# Altium PCB TEBF0808.PcbDoc (part 11 of 11)
Units mm, origin at the board's own origin, x right, y up, seen from the top; angles counter-clockwise.
Board outline 170 x 170 mm, 16 copper layers (L 01, L 02 G, L 03 S, L 04 G, L 05 S, L 06 G, L 07 P, L 08 P, L 09 P, L 10 P, L 11 G, L 12 S, L 13 G, L 14 S, L 15 G, L 16), stack 1.774 mm thick; 609 components, 869 nets, 3941 pads, 2358 vias.
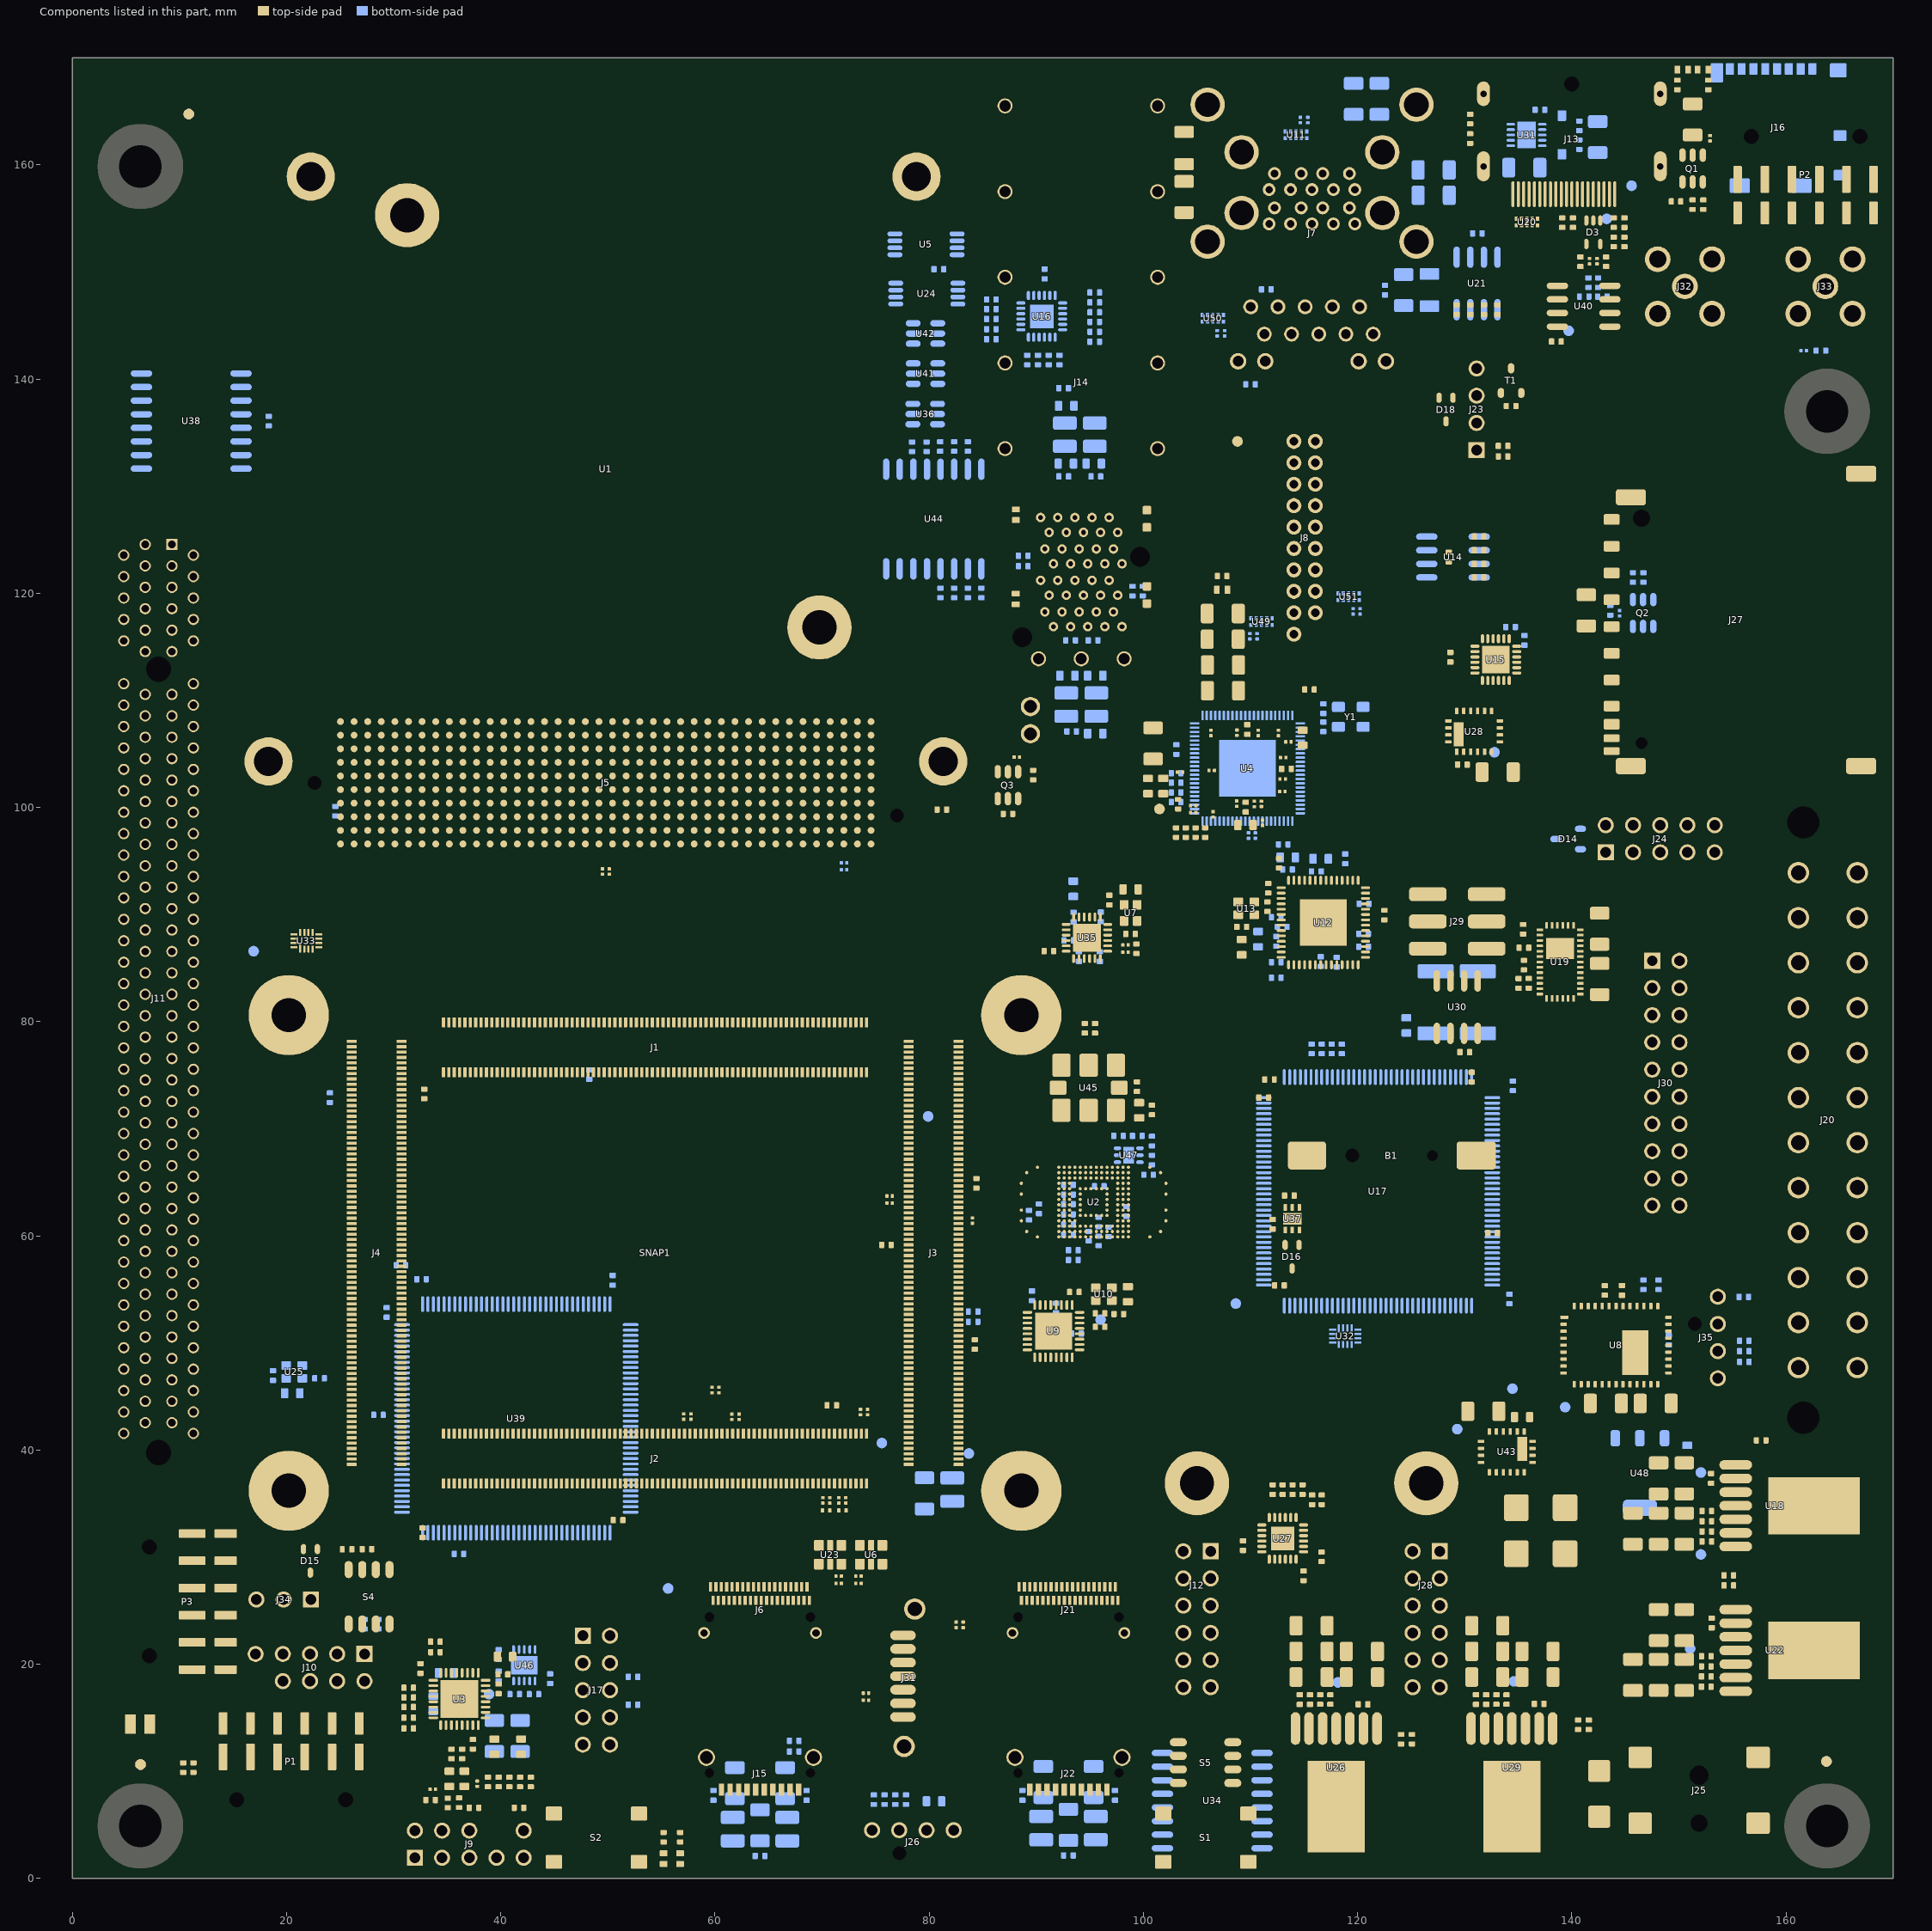
[diagram p25: the components of this part, seen from the top]

## Other copper (continued)
L 16:
  pour cut-out: 57.775,25.045 59.33,23.491 59.33,22.685 69.025,22.685 69.025,42.925 67.825,44.125 63.225,44.125 60.288,41.188 60.288,38.338 57.775,35.825
  pour cut-out: 24.4,99.75 27.539,99.75 28.425,100.636 28.425,115.225 66.668,115.225 84.555,97.338 84.555,72.436 80.5,68.381 80.5,66.075 80.225,65.8 79.125,65.8 74.284,70.641 74.284,74.566 73.4,75.45 70.9,75.45 61.225,75.45 60.4,76.275 60.4,78.65 59.347,79.703 30.933,79.663 24.4,86.195
  pour cut-out: 33.3,54.05 30.78,51.53 30.78,34.32 33.07,32.03 50.2,32.03 52.12,33.95 52.12,51.45 49.47,54.1 46,54.1
  pour cut-out: 113.15,74.82 111.205,72.875 111.525,55.45 112.925,54.05 131.325,54.05 132.57,55.295 132.57,72.875 130.625,74.82
  region net GND: 140.35,85.725 140.35,87.975 137.45,87.975 137.45,85.725
  region net GND: 135.95,41.4 134.75,41.4 134.75,38.85 135.95,38.85
  region net GND: 147.326,46.841 147.326,51.341 144.526,51.341 144.526,46.841
  region net GND: 130.015,108.11 128.815,108.11 128.815,105.56 130.015,105.56
  pour cut-out: 105.51,108.585 104.775,107.85 104.775,99.45 105.51,98.715 113.91,98.715 114.645,99.45 114.645,107.85 113.91,108.585
  pour cut-out: 115.7,110.7 115.36,110.36 115.36,107.14 116.5,106 121,106 122.1,107.1 122.1,110 121.4,110.7
  pour cut-out: 110.271,136.286 110.82,135.742 111.575,134.987 111.575,134.3 112.4,134.3 112.8,134.7 112.7,134.8 112.7,137.1
  pour cut-out: 118.975,163.8 119.235,163.54 119.235,160.385 118.575,159.725 115.525,159.725 112.35,159.283 112.35,163.8
  pour cut-out: 110.675,93.7 111.393,94.418 112.582,94.418 112.65,94.35 112.765,94.465 112.765,95.547 110.45,97.862
  pour cut-out: 118.325,115.025 118.825,114.525 121.4,114.525 121.9,115.025 121.9,110.275 121.925,110.25 117.025,110.25 116.675,110.6 116.81,110.735 116.81,111.594
  pour cut-out: 57.98,38.25 57.98,37.599 58.83,37.599 58.83,38.25
  pour cut-out: 59.625,46.425 59.625,45.774 60.475,45.774 60.475,46.425
  pour cut-out: 119.5,117.2 119.5,116.549 120.33,116.549 120.33,117.2
  pour cut-out: 116.075,113.51 116.726,113.51 116.726,114.34 116.075,114.34
  pour cut-out: 134.69,153.15 134.69,153.798 135.41,153.798 135.41,153.15
MultiLayer:
  pour cut-out: 57.98,38.709 58.83,38.709 58.83,37.791 57.98,37.791
  pour cut-out: 59.625,46.884 60.475,46.884 60.475,45.966 59.625,45.966
  pour cut-out: 57.055,44.311 57.775,44.311 57.775,43.393 57.055,43.393
  pour cut-out: 68.793,48.033 69.302,47.524 69.951,48.173 69.442,48.682
  pour cut-out: 115.616,114.34 115.616,113.51 116.534,113.51 116.534,114.34
  pour cut-out: 120.33,117.659 119.5,117.659 119.5,116.741 120.33,116.741
  pour cut-out: 121.062,146.256 119.779,143.691 118.91,143.197 111.29,143.189 110.421,143.691 109.171,146.447 110.098,147.625 120.18,147.736
  pour cut-out: 69.045,76.881 69.765,76.881 69.765,75.979 69.045,75.979
  pour cut-out: 70.545,78.651 71.265,78.651 71.265,77.749 70.545,77.749
  pour cut-out: 67.545,78.651 68.265,78.651 68.265,77.749 67.545,77.749
  pour cut-out: 64.545,78.976 65.265,78.976 65.265,78.074 64.545,78.074
  pour cut-out: 66.045,76.881 66.765,76.881 66.765,75.979 66.045,75.979
  pour cut-out: 64.651,68.55 64.651,67.83 63.749,67.83 63.749,68.55
  pour cut-out: 63.151,70.25 63.151,69.53 62.249,69.53 62.249,70.25
  pour cut-out: 61.651,71.95 61.651,71.23 60.749,71.23 60.749,71.95
  pour cut-out: 60.151,73.65 60.151,72.93 59.249,72.93 59.249,73.65
  pour cut-out: 58.851,77.87 58.851,77.15 57.949,77.15 57.949,77.87
  pour cut-out: 63.265,78.085 62.545,78.085 62.545,78.987 63.265,78.987
  pour cut-out: 58.765,80.999 58.045,80.999 58.045,81.901 58.765,81.901
  pour cut-out: 60.265,82.999 59.545,82.999 59.545,83.901 60.265,83.901
  pour cut-out: 62.065,84.952 61.345,84.952 61.345,85.854 62.065,85.854
  pour cut-out: 57.265,84.999 56.545,84.999 56.545,85.901 57.265,85.901
  pour cut-out: 32.381,84.999 31.661,84.999 31.661,85.901 32.381,85.901
  pour cut-out: 27.301,92.449 26.581,92.449 26.581,93.351 27.301,93.351
  pour cut-out: 29.841,95.249 29.121,95.249 29.121,96.151 29.841,96.151
  pour cut-out: 34.921,91.249 34.201,91.249 34.201,92.151 34.921,92.151
  pour cut-out: 37.461,92.449 36.741,92.449 36.741,93.351 37.461,93.351
  pour cut-out: 40.001,92.449 39.281,92.449 39.281,93.351 40.001,93.351
  pour cut-out: 42.541,91.799 41.821,91.799 41.821,92.701 42.541,92.701
  pour cut-out: 45.081,94.649 44.361,94.649 44.361,95.551 45.081,95.551
  pour cut-out: 47.621,94.649 46.901,94.649 46.901,95.551 47.621,95.551
  pour cut-out: 50.185,92.549 49.465,92.549 49.465,93.451 50.185,93.451
  pour cut-out: 57.781,92.449 57.061,92.449 57.061,93.351 57.781,93.351
  pour cut-out: 62.861,92.449 62.141,92.449 62.141,93.351 62.861,93.351
  pour cut-out: 67.941,92.449 67.221,92.449 67.221,93.351 67.941,93.351
  pour cut-out: 73.021,91.849 72.301,91.849 72.301,92.751 73.021,92.751
  pour cut-out: 73.546,44.851 74.266,44.851 74.266,43.949 73.546,43.949
  pour cut-out: 56.451,34.4 56.451,33.68 55.549,33.68 55.549,34.4
  pour cut-out: 135.41,152.699 134.69,152.699 134.69,153.601 135.41,153.601
  pour cut-out: 85.26,128.049 84.54,128.049 84.54,128.951 85.26,128.951
  pour cut-out: 88.699,93.3 88.699,94.02 89.601,94.02 89.601,93.3
  pour cut-out: 91.975,102.701 92.695,102.701 92.695,101.799 91.975,101.799
  pour cut-out: 96.025,102.701 96.745,102.701 96.745,101.799 96.025,101.799
  region net GND: 37.9,18.5 37.9,15 34.4,15 34.4,18.5
  region net GND: 112.5,1.05 139.9,1.05 139.9,11.75 112.5,11.75
  region net GND: 168.25,15.79 168.25,40.3 157.55,40.3 157.55,15.79
  pour cut-out: 111.736,153.629 113.735,153.629 113.735,155.35 111.749,155.35
  pour cut-out: 111.736,156.829 113.735,156.829 113.735,158.55 111.749,158.55
  pour cut-out: 117.736,156.829 119.735,156.829 119.735,158.55 117.749,158.55
  pour cut-out: 117.736,153.629 119.735,153.629 119.735,155.35 117.749,155.35
  pour cut-out: 63.045,43.457 63.765,43.457 63.765,42.555 63.045,42.555
  pour cut-out: 66.045,43.457 66.765,43.457 66.765,42.555 66.045,42.555
  pour cut-out: 67.545,40.521 68.265,40.521 68.265,39.619 67.545,39.619
  pour cut-out: 64.545,40.521 65.265,40.521 65.265,39.619 64.545,39.619
  pour cut-out: 65.545,35.851 66.265,35.851 66.265,34.949 65.545,34.949
  pour cut-out: 67.045,33.201 67.765,33.201 67.765,32.299 67.045,32.299
  pour cut-out: 59.975,29.201 60.695,29.201 60.695,28.299 59.975,28.299
  pour cut-out: 61.475,30.251 62.195,30.251 62.195,29.349 61.475,29.349
  pour cut-out: 61.705,24.901 62.425,24.901 62.425,23.999 61.705,23.999
  pour cut-out: 60.48,23.851 61.2,23.851 61.2,22.949 60.48,22.949
  pour cut-out: 66.205,24.901 66.925,24.901 66.925,23.999 66.205,23.999
  pour cut-out: 67.43,23.851 68.15,23.851 68.15,22.949 67.43,22.949
  pour cut-out: 113.142,126.175 113.142,124.175 114.958,124.175 114.958,126.175
  pour cut-out: 115.142,122.175 115.142,120.175 116.958,120.175 116.958,122.175
  pour cut-out: 113.142,120.175 113.142,118.175 114.958,118.175 114.958,120.175
  pour cut-out: 115.142,128.175 115.142,126.175 116.958,126.175 116.958,128.175
  pour cut-out: 145.815,54.824 ccw(c145.415,54.824) 145.415,55.224 ccw(c145.415,54.824) 145.015,54.824 ccw(c145.415,54.824) 145.415,54.424 ccw(c145.415,54.824)

## Silkscreen, mask and mechanical layers (free items; w line width, h text height)
Top Overlay:
  text "TEBF0808-04" at 157.1,137.2 h2 r90
  text "USB3.0" at 120.6,131.6 h1.52 r90
  text "CAN" at 137.2,98.3 h1.52 r90
  text "JTAG" at 155.1,86.8 h1.52 r90
  text "Holzweg 19A" at 138.65,58.175 h2 r90
  text "32257 Bünde" at 140.65,58.175 h2 r90
  text "Germany" at 142.65,58.175 h2 r90
  text "Trenz Electronic GmbH" at 136.65,58.145 h2 r90
  text "W" at 115.3,48.9 h10 r90
  text "FAN2" at 152.375,43.4 h1.52
  text "C" at 104.35,42.1 h10 r90
  text "XMOD1" at 101.6,26.7 h1.52 r90
  text "XMOD2" at 123,26.6 h1.52 r90
  text "FP" at 30.2,18.9 h1.52 r90
  text "FAN1" at 72.4,3.3 h1.52 r90
  text "HDA" at 30,2.5 h1.52 r90
Top Solder:
  region: 18.381,142.006 18.381,131.069 ccw(c18.625,131.069) 18.625,130.825 20.05,130.825 ccw(c20.05,131.1) 20.325,131.1 20.325,142 ccw(c20.051,142) 20.051,142.274 18.649,142.274 ccw(c18.649,142.006)
Fab-Notes:
  circle w0.254: c31.26,155.3 r5.721
  circle w0.254: c69.76,116.8 r5.917
  lines w0.1: 35.85,176.575 65.45,176.575 ; 35.938,181.237 40.6,176.575 ; 35.963,179.463 38.85,176.575 ; 37.6,183.075 44.1,176.575 ; 39.35,183.075 45.85,176.575 ; 41.1,183.075 47.3,176.875 47.3,176.625 47.3,179.85 ; 42.35,176.575 35.85,183.075 65.45,183.075 ; 42.85,183.075 47.212,178.713 ; 44.125,183.025 47.3,179.85 ; 44.125,183.7 44.125,189 ; 45.975,188 44.325,188.7 ; 45.975,189.4 44.325,188.7 ; 52.35,176.625 52.35,179.85 ; 52.537,179.238 55.2,176.575 ; 53,179.8 66.8,179.8 ; 53.013,180.512 56.95,176.575 ; 53.6,188 55.25,188.7 ; 53.6,189.4 55.25,188.7 ; 53.987,181.287 58.7,176.575 ; 54.762,182.262 60.45,176.575 ; 55.525,183.025 52.35,179.85 ; 55.525,183.7 55.525,189 ; 55.7,183.075 62.2,176.575 ; 57.45,183.075 63.65,176.875 ; 59.2,183.075 63.562,178.713 ; 60.95,183.075 63.312,180.712 ; 62.7,183.075 63.237,182.537 ; 63.8,178.15 64.5,179.8 65.2,178.15 ; 63.8,184.725 64.5,183.075 65.2,184.725 ; 64.5,178.8 64.5,184.1 ; 44.325,188.7 55.25,188.7 ; 47.3,179.85 52.35,179.85
  lines w0.2: 31.2,161.025 45.175,175 ; 51.6,175 69.7,156.9 69.7,122.6
  text "5.6mm +/-0,1" at 41.1,191.4 h1.52
  text "Top" at 58.75,184.2 h1.52
  text "1.2mm +/-0,1" at 65.3,180.9 h1.52
  text "Bottom" at 59.025,174.475 h1.52
PCB-Outline:
  lines w0.01: 0,0 0,170 170,170 170,0 0,0
  lines w0.05: 73.385,158.675 73.385,157.25 ccw(c73.635,157.25) 73.635,157 75.4,157 75.4,154 73.636,154 ccw(c73.636,153.75) 73.386,153.75 73.386,120.3
TDEV-Notes-Top:
  lines w0.01: 15,0 15,170
  text "Area A" at 135.453,104.478 h2
  text "Area B" at 2.26,24.508 h2
Assembly-Top:
  circle w0.1: c6.345,159.845 r1.98
  circle w0.1: c6.345,4.905 r1.98
  circle w0.1: c163.825,4.905 r1.98
  circle w0.1: c163.83,136.98 r1.98
Assembly Bot:
  circle w0.1: c6.345,159.845 r1.98
  circle w0.1: c6.345,4.905 r1.98
  circle w0.1: c163.825,4.905 r1.98
  circle w0.1: c163.83,136.98 r1.98

## Dimensions
8.05,83.15 to 0,170 on Dim-Top
6.35,159.84 to 163.83,4.9 on Dim-Bot
170,170 to 150.79,97.07 on Dim-Top
170,170 to 156.51,117.51 on Dim-Top
0,0 to 151.88,8.5 on Dim-Top
0,0 to 126.4,26.2 on Dim-Top
0,0 to 105,26.2 on Dim-Top
0,0 to 93,26.4 on Dim-Top
0,0 to 163.835,148.875 on Dim-Top
0,0 to 64.2,22.4 on Dim-Top
0,0 to 48.925,20.115 on Dim-Top
0,0 to 21.69,20.69 on Dim-Top
0,0 to 37.061,4.2 on Dim-Top
20.43,8.685 to 0,0 on Dim-Top
163.9,71.8 to 170,170 on Dim-Top
170,170 to 162.9,70.8 on Dim-Top
0,170 to 0,0 on Dim-Top
0,170 to 50.51,136.55 on Dim-Bot
0,170 to 162,163.3 on Dim-Top
0,170 to 140,163.4 on Dim-Top
115.735,151.453 to 0,170 on Dim-Top
0,170 to 94.2,113.875 on Dim-Top
6.35,159.84 to 163.83,136.98 on Dim-Bot
6.35,159.84 to 6.35,4.9 on Dim-Bot
6.35,159.84 to 163.83,136.98 on Dim-Bot
0,170 to 6.35,159.84 on Dim-Bot
0,170 to 6.35,159.84 on Dim-Bot
0,170 to 31.26,155.3 on Dim-Bot
0,170 to 18.31,104.3 on Dim-Top
0,170 to 31.26,155.3 on Dim-Bot
0,170 to 18.31,104.3 on Dim-Top
170,0 to 0,170 on Assembly-Top
0,170 to 170,170 on Assembly-Top

## Text inside footprints (layer, text, board x,y; h text height)
D1: Assembly-Top "A" at 88.35,120.275 h0.6 r90; Assembly-Top "K" at 88.325,118.275 h0.6 r90
D4: Assembly-Top "K" at 151.15,168.6 h0.6; Assembly-Top "A" at 149.25,168.54 h0.6
D5: Assembly-Top "A" at 152.925,168.6 h0.6
D6: Assembly-Top "K" at 57.125,0.65 h0.7 r90; Assembly-Top "A" at 57,2.575 h0.7 r90
D7: Assembly-Top "A" at 55.5,2.575 h0.7 r90; Assembly-Top "K" at 55.55,0.7 h0.7 r90
D9: Assembly-Top "A" at 88.43,126.235 h0.6 r90; Assembly-Top "K" at 88.4,128.1 h0.6 r90
D17: Assembly-Top "A" at 106.1,120 h0.7; Assembly-Top "K" at 108.1,120 h0.7
J1: Assembly-Top "160" at 33.3,75.75 h0.6; Assembly-Top "159" at 33.3,78.375 h0.6; Assembly-Top "2" at 74,75.725 h0.6; Assembly-Top "1" at 74.15,78.45 h0.6
J2: Assembly-Top "160" at 33.375,37.55 h0.6; Assembly-Top "159" at 33.375,40 h0.6; Assembly-Top "2" at 73.75,37.275 h0.6; Assembly-Top "1" at 73.975,40.15 h0.6
J3: Assembly-Top "160" at 82,37.225 h0.6 r90; Assembly-Top "159" at 79.725,37.225 h0.6 r90; Assembly-Top "2" at 82.175,77.75 h0.6 r90; Assembly-Top "1" at 79.575,77.975 h0.6 r90
J4: Assembly-Top "160" at 30.1,37.3 h0.6 r90; Assembly-Top "159" at 27.6,37.3 h0.6 r90; Assembly-Top "2" at 30.2,77.875 h0.6 r90; Assembly-Top "1" at 27.6,78.1 h0.6 r90
J6: Assembly-Top "A1" at 59.45,26.3 h0.7; Assembly-Top "B1" at 59.45,25.25 h0.7; Assembly-Top "B19" at 67.3,25.2 h0.7; Assembly-Top "A19" at 67.3,26.25 h0.7
J8: Assembly-Top "11" at 117.6,133.8 h0.6 r90; Assembly-Top "10" at 113.1,133.7 h0.6 r90; Assembly-Top "19" at 117.6,117.7 h0.6 r90; Assembly-Top "1" at 113.1,116 h0.6 r90
J9: Assembly-Top "1" at 30.986,0.9 h0.6; Assembly-Top "2" at 30.9,4.9 h0.6; Assembly-Top "9" at 42.8,0.9 h0.6; Assembly-Top "10" at 40.4,4.9 h0.6
J10: Assembly-Top "1" at 28.1,21.4 h0.6; Assembly-Top "2" at 27.8,17.7 h0.6; Assembly-Top "9" at 16.55,22.025 h0.6 r180; Assembly-Top "8" at 16.55,18.275 h0.6 r180
J12: Assembly-Top "11" at 106.7,17.375 h0.6 r90; Assembly-Top "12" at 104.1,17.275 h0.6 r90; Assembly-Top "2" at 103.8,30.25 h0.6 r90; Assembly-Top "1" at 106.9,30.45 h0.6 r90
J13: Courtyard Top "Connector Edge" at 139.1,171.65 h0.5 r180; Courtyard Top "PCB Edge" at 139.05,170.6 h0.5 r180
J14: TDEV-Notes-Top "PCB_Edge" at 97.8,169.35 h1 r180; Fab-Notes "Press-fit holes." at 88.825,130.2 h0.7; Fab-Notes "Diameters are final" at 88.075,131.45 h0.7
J17: Assembly-Top "2" at 50.85,24.618 h0.6 r90; Assembly-Top "1" at 48.225,24.875 h0.6 r90; Assembly-Top "10" at 51.075,8.95 h0.6 r90; Assembly-Top "9" at 48.35,9.225 h0.6 r90
J20: Assembly-Top "1" at 166.9,95.4 h0.6 r90; Assembly-Top "13" at 161.4,95.1 h0.6 r90; Assembly-Top "12" at 166.9,45.4 h0.6 r90; Assembly-Top "24" at 161.4,45.4 h0.6 r90
J21: Assembly-Top "A1" at 88.25,26.3 h0.7; Assembly-Top "B1" at 88.25,25.25 h0.7; Assembly-Top "B19" at 96.1,25.2 h0.7; Assembly-Top "A19" at 96.1,26.25 h0.7
J23: Assembly-Top "4" at 131.3,142.6 h0.6 r90; Assembly-Top "1" at 131.3,131.5 h0.6 r90
J24: Assembly-Top "2" at 141,98 h0.6; Assembly-Top "1" at 141.1,95.5 h0.6; Assembly-Top "10" at 154.9,98 h0.6; Assembly-Top "9" at 155.1,95.5 h0.6
J26: Assembly-Top "1" at 82.285,2.505 h0.6
J28: Assembly-Top "11" at 128.475,17.4 h0.6 r90; Assembly-Top "12" at 125.425,17.25 h0.6 r90; Assembly-Top "2" at 125.625,30.25 h0.6 r90; Assembly-Top "1" at 128.225,30.35 h0.6 r90
J29: Assembly-Top "6" at 126.55,91.6 h0.6 r90; Assembly-Top "5" at 132.6,91.6 h0.6 r90; Assembly-Top "2" at 126.55,86.35 h0.6 r90; Assembly-Top "1" at 132.6,86.7 h0.6 r90
J30: Assembly-Top "2" at 150.4,88.1 h0.6 r90; Assembly-Top "1" at 147.775,88.225 h0.6 r90; Assembly-Top "20" at 150.725,59.025 h0.6 r90; Assembly-Top "19" at 147.85,59.1 h0.6 r90
J31: Assembly-Top "1" at 80.7,22.5 h0.6 r90; Assembly-Top "2" at 80.675,21.175 h0.6 r90; Assembly-Top "3" at 80.675,19.9 h0.6 r90; Assembly-Top "4" at 80.675,18.575 h0.6 r90; Assembly-Top "5" at 80.675,17.4 h0.6 r90; Assembly-Top "6" at 80.675,16.125 h0.6 r90; Assembly-Top "7" at 80.675,14.925 h0.6 r90
J34: Assembly-Top "3" at 15.3,25.7 h0.6; Assembly-Top "1" at 23.8,25.7 h0.6
J35: Assembly-Top "1" at 152.325,46.4 h0.6
P1: Assembly-Top "1" at 27.8,13.925 h0.6; Assembly-Top "7" at 27.5,10.55 h0.6; Assembly-Top "12" at 12.675,10.6 h0.6; Assembly-Top "6" at 13.325,14.5 h0.6 r180
P2: Assembly-Top "6" at 169.125,155.2 h0.6; Assembly-Top "12" at 168.725,158.2 h0.6; Assembly-Top "7" at 154.125,158.2 h0.6; Assembly-Top "1" at 154.212,155.2 h0.6
P3: Assembly-Top "6" at 14.625,33.15 h0.6 r90; Assembly-Top "12" at 11.625,32.75 h0.6 r90; Assembly-Top "7" at 11.625,18.3 h0.6 r90; Assembly-Top "1" at 14.65,18.475 h0.6 r90
S4: Assembly-Top "N" at 27.997,24.713 h0.6 r270; Assembly-Top "O" at 29.267,24.713 h0.6 r270; Assembly-Top "2" at 28.1,27.9 h0.6; Assembly-Top "1" at 29.5,27.9 h0.6; Assembly-Top "3" at 26.8,27.9 h0.6; Assembly-Top "4" at 25.5,27.9 h0.6
S5: Assembly-Top "N" at 107.387,11.107 h0.6; Assembly-Top "O" at 107.387,12.377 h0.6; Assembly-Top "2" at 103.577,11.107 h0.6; Assembly-Top "1" at 103.577,12.377 h0.6; Assembly-Top "3" at 103.577,9.857 h0.6; Assembly-Top "4" at 103.577,8.587 h0.6
Serial: Assembly-Top "SerialNr" at 6.9,145.3 h0.7 r90
SNAP1: TDEV-Notes-Top "J4" at 30.812,57.462 h1 r90; TDEV-Notes-Top "J2" at 52.305,38.378 h1 r90; TDEV-Notes-Top "J1" at 52.33,76.828 h1 r90; TDEV-Notes-Top "J3" at 83.205,57.503 h1 r90
SNAP2: Courtyard Top "ECUE (Copper)" at 87.05,-0.15 h0.7; Courtyard Top "ECUO (Optical)" at 87.05,0.75 h0.7; Courtyard Top "ECUE Test Cable" at 86.35,-14.6 h0.7; Courtyard Top "CAT-IN-ECUO-XX Tool" at 77.4,0 h0.7 r90; Courtyard Top "CAT-IN-ECUO-XX Tool" at 109.35,0 h0.7 r90; Courtyard Top "UEC5" at 91.7,19.35 h0.7; Courtyard Top "UCC8" at 91.7,14.35 h0.7; Courtyard Top "A1" at 87,26.9 h0.7; Courtyard Top "1" at 88.15,7.9 h0.7
SNAP3: Courtyard Top "ECUE (Copper)" at 58.25,-0.15 h0.7; Courtyard Top "ECUO (Optical)" at 58.25,0.75 h0.7; Courtyard Top "ECUE Test Cable" at 57.55,-14.6 h0.7; Courtyard Top "CAT-IN-ECUO-XX Tool" at 48.6,0 h0.7 r90; Courtyard Top "CAT-IN-ECUO-XX Tool" at 80.55,0 h0.7 r90; Courtyard Top "UEC5" at 62.9,19.35 h0.7; Courtyard Top "UCC8" at 62.9,14.35 h0.7; Courtyard Top "A1" at 58.2,26.9 h0.7; Courtyard Top "1" at 59.35,7.9 h0.7
U1: TDEV-Notes-Top "FMC Region 3" at 44.912,91.8 h1; TDEV-Notes-Top "FMC Region 2" at 44.912,124.315 h1; TDEV-Notes-Top "FMC Region 1" at 44.912,166.815 h1; TDEV-Notes-Top "IO AREA" at 43.912,149.315 h2; TDEV-Notes-Top "K" at 75.997,108.305 h0.64 r180; TDEV-Notes-Top "J" at 75.997,107.035 h0.64 r180; TDEV-Notes-Top "H" at 75.997,105.765 h0.64 r180; TDEV-Notes-Top "G" at 75.997,104.495 h0.64 r180; TDEV-Notes-Top "F" at 75.997,103.225 h0.64 r180; TDEV-Notes-Top "E" at 75.997,101.955 h0.64 r180; TDEV-Notes-Top "D" at 75.997,100.685 h0.64 r180; TDEV-Notes-Top "C" at 75.997,99.415 h0.64 r180; TDEV-Notes-Top "B" at 75.997,98.145 h0.64 r180; TDEV-Notes-Top "A" at 75.997,96.875 h0.64 r180; TDEV-Notes-Top "40" at 25.347,96.4 h0.4 r180; TDEV-Notes-Top "39" at 26.648,96.4 h0.4 r180; TDEV-Notes-Top "38" at 27.948,96.4 h0.4 r180; TDEV-Notes-Top "37" at 29.147,96.4 h0.4 r180; TDEV-Notes-Top "36" at 30.448,96.4 h0.4 r180; TDEV-Notes-Top "35" at 31.748,96.4 h0.4 r180; TDEV-Notes-Top "34" at 32.947,96.4 h0.4 r180; TDEV-Notes-Top "33" at 34.248,96.4 h0.4 r180; TDEV-Notes-Top "32" at 35.548,96.4 h0.4 r180; TDEV-Notes-Top "31" at 36.647,96.4 h0.4 r180; TDEV-Notes-Top "30" at 38.047,96.4 h0.4 r180; TDEV-Notes-Top "29" at 39.348,96.4 h0.4 r180; TDEV-Notes-Top "28" at 40.648,96.4 h0.4 r180; TDEV-Notes-Top "27" at 41.847,96.4 h0.4 r180; TDEV-Notes-Top "26" at 43.148,96.4 h0.4 r180; TDEV-Notes-Top "25" at 44.448,96.4 h0.4 r180; TDEV-Notes-Top "24" at 45.647,96.4 h0.4 r180; TDEV-Notes-Top "23" at 46.948,96.4 h0.4 r180; TDEV-Notes-Top "22" at 48.248,96.4 h0.4 r180; TDEV-Notes-Top "21" at 49.247,96.4 h0.4 r180; TDEV-Notes-Top "20" at 50.747,96.4 h0.4 r180; TDEV-Notes-Top "19" at 51.947,96.4 h0.4 r180; TDEV-Notes-Top "18" at 53.247,96.4 h0.4 r180; TDEV-Notes-Top "17" at 54.547,96.4 h0.4 r180; TDEV-Notes-Top "16" at 55.848,96.4 h0.4 r180; TDEV-Notes-Top "15" at 57.047,96.4 h0.4 r180; TDEV-Notes-Top "14" at 58.247,96.4 h0.4 r180; TDEV-Notes-Top "13" at 59.648,96.4 h0.4 r180; TDEV-Notes-Top "12" at 60.948,96.4 h0.4 r180; TDEV-Notes-Top "11" at 62.047,96.4 h0.4 r180; TDEV-Notes-Top "10" at 63.347,96.4 h0.4 r180; TDEV-Notes-Top "9" at 64.6,96.4 h0.4 r180; TDEV-Notes-Top "8" at 65.822,96.4 h0.4 r180; TDEV-Notes-Top "7" at 67.022,96.4 h0.4 r180; TDEV-Notes-Top "6" at 68.422,96.4 h0.4 r180; TDEV-Notes-Top "5" at 69.622,96.4 h0.4 r180; TDEV-Notes-Top "4" at 70.922,96.4 h0.4 r180; TDEV-Notes-Top "3" at 72.222,96.4 h0.4 r180; TDEV-Notes-Top "2" at 73.522,96.4 h0.4 r180; TDEV-Notes-Top "1" at 74.625,96.4 h0.5 r180; TDEV-Notes-Top "Single Mezzanine Carrier" at 16.3,86.9 h1